# Altium PCB ModuleBackup4.PcbDoc (part 2 of 3) (continued)
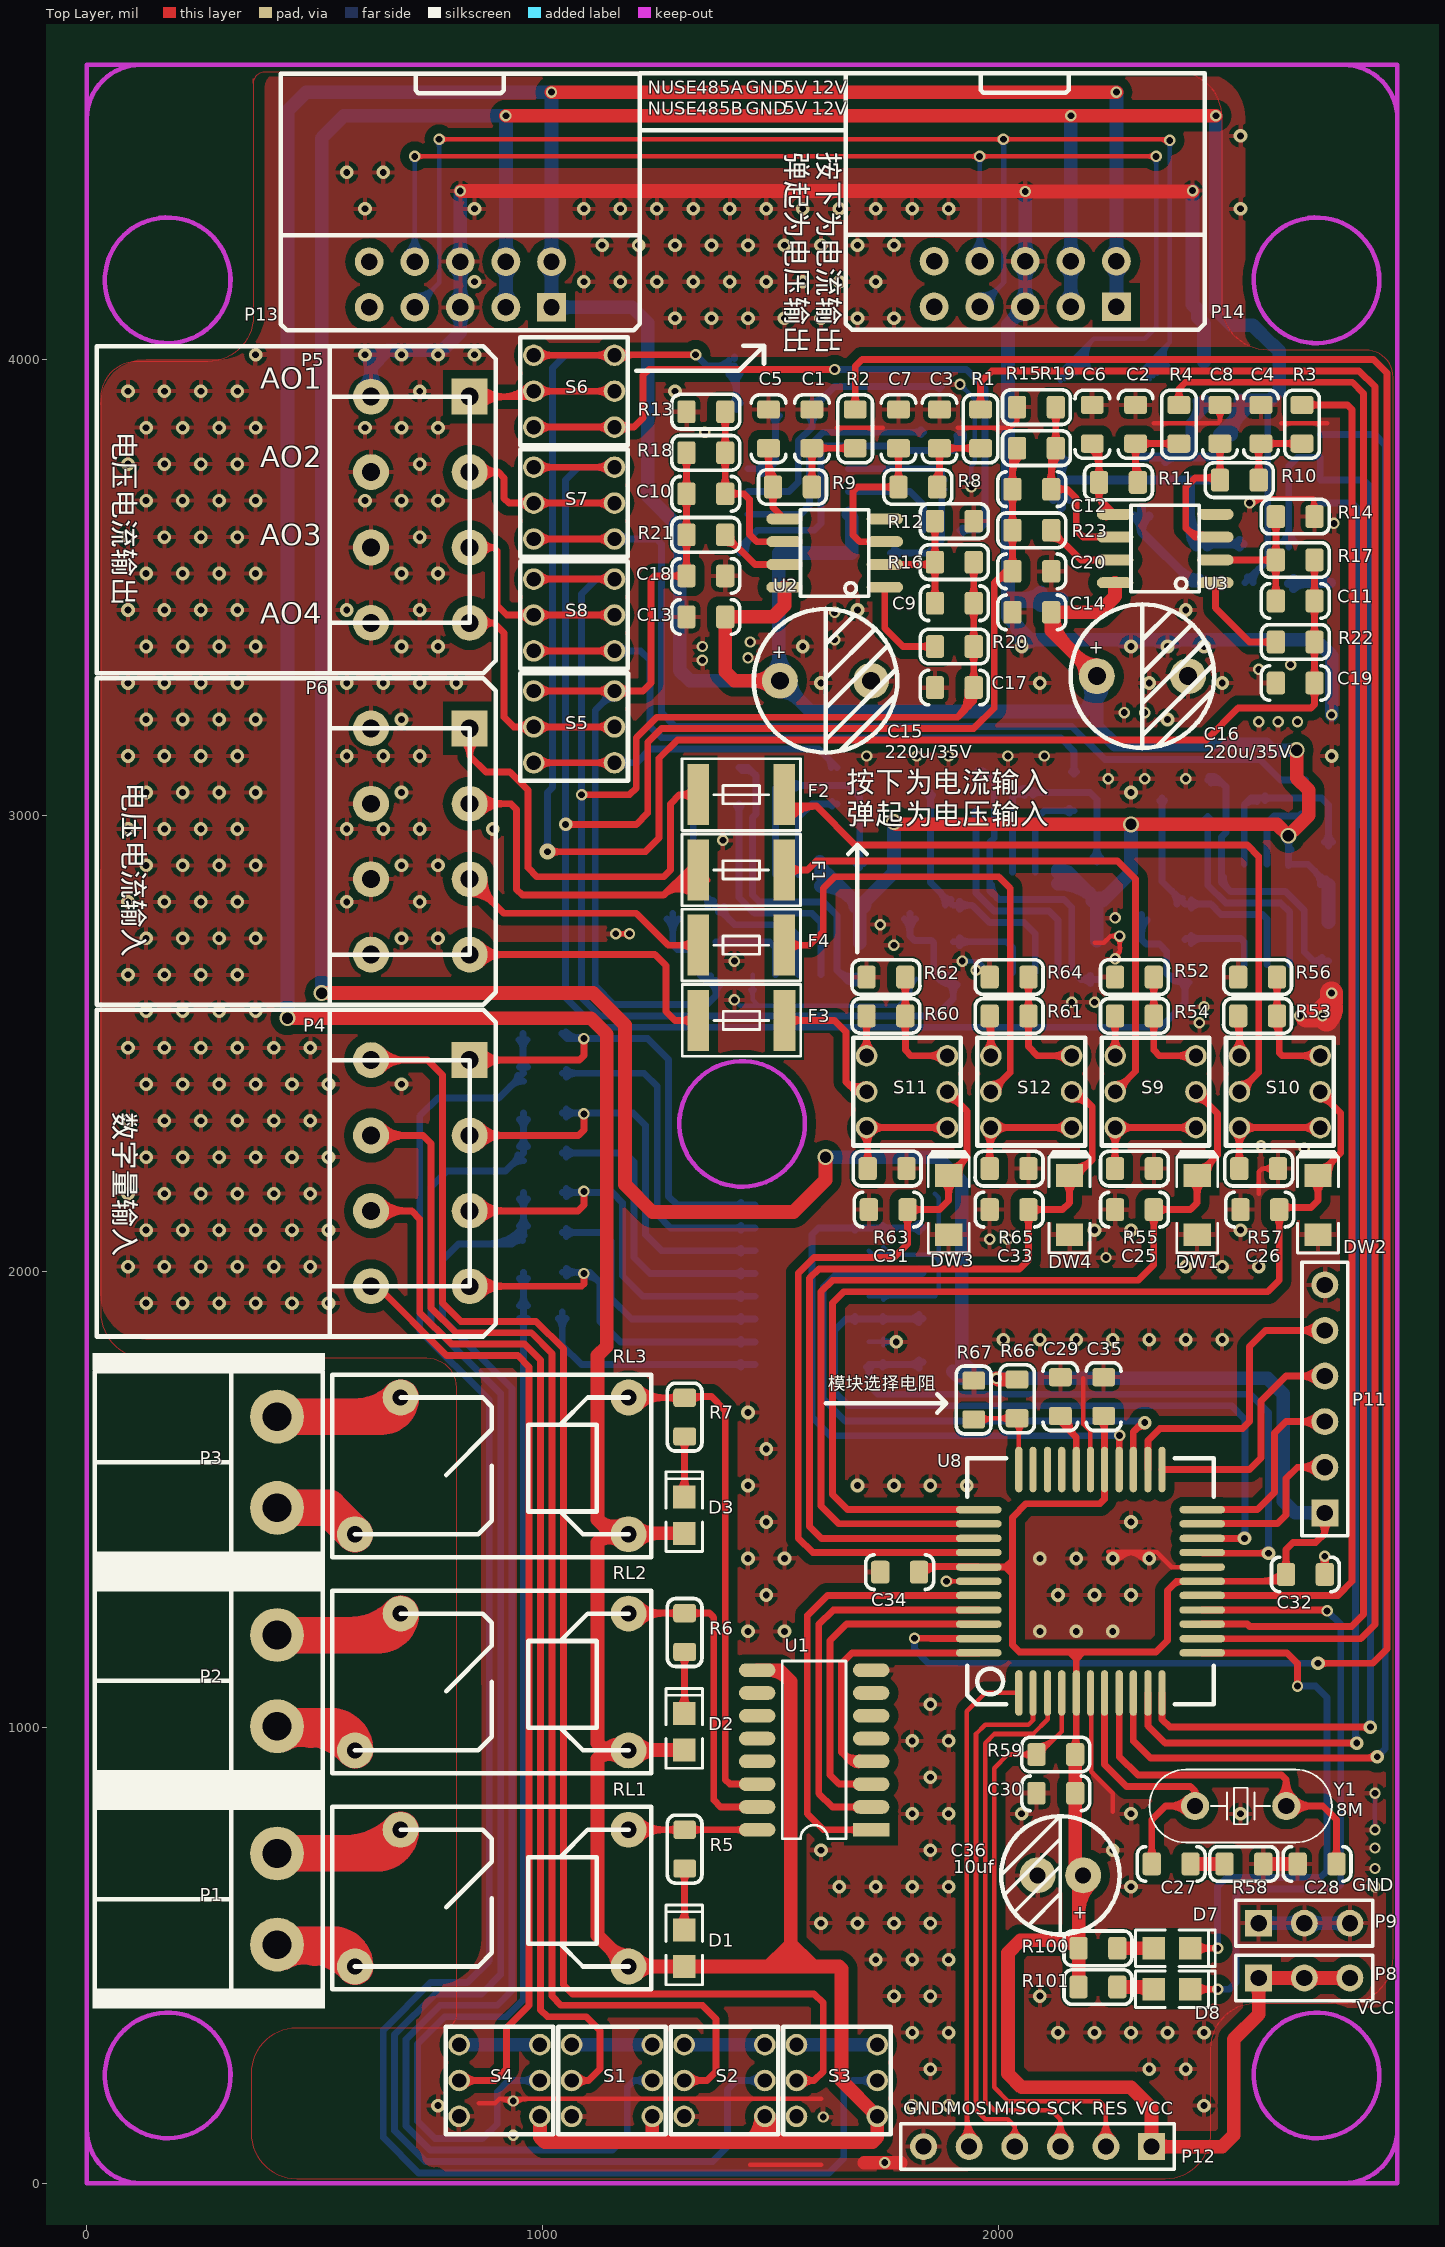
[diagram p0: Top Layer view]
## Nets (pads, with @x,y where several pads share a name; then routed paths per layer and width w, separated by ;. In a path a pad name is that pad's centre, name@x,y a point inside that pad or via, vN(x,y) a via of type N, cw(c..) or ccw(c..) an arc to the next point about the centre after c; other vN are vias at no path point) (continued)
  Bottom Layer w30: P5.2@605.77,3935.23 ccw(c564.17,3976.83) 623,3976.83 ccw(c681.83,3976.83) P5.2@640.23,3935.23 ; P5.2@623,3918 623,3983 660,4020 ; 623,3978.62 ccw(c578.62,3978.62) v1(610,4010) ; 623,3980.03 ccw(c581.96,3980.03) v1(610,4010) ; 665.86,4020 cw(c665.86,3985.86) v1(690,4010) cw(c714.14,3985.86) 714.14,4020 ; 745.86,4020 cw(c745.86,3985.86) v1(770,4010) ; P13.5@807.34,4102.34 cw(c779.18,4074.18) 819,4074.18 cw(c858.82,4074.18) P13.5@830.66,4102.34 ; P13.5@807.34,4125.66 ccw(c779.18,4153.82) 819,4153.82 ccw(c858.82,4153.82) P13.5@830.66,4125.66 ; P13.6@807.34,4202.34 cw(c779.18,4174.18) 819,4174.18 cw(c858.82,4174.18) P13.6@830.66,4202.34 ; P13.6@807.34,4225.66 ccw(c779.18,4253.82) 819,4253.82 ccw(c858.82,4253.82) P13.6@830.66,4225.66 ; v2(819,4369) P13.6@819,4214 P13.5@819,4114 819,4059 780,4020 660,4020 ; 2025.25,3429.75 cw(c1965.5,3370) v1(2050,3370) ; P14.5@2041.5,4115 cw(c2001.68,4115) 2029.84,4086.84 cw(c2058,4058.68) P14.5@2058,4098.5 ; 2045.61,3470 ccw(c2045.61,3535.36) 2091.83,3489.14 cw(c2057.68,3523.28) 2057.68,3475 cw(c2057.68,3426.72) 2091.83,3460.86 ccw(c2069.76,3438.79) 2069.76,3470 ; P14.5@2046.34,4126.66 ccw(c2018.18,4154.82) 2058,4154.82 ccw(c2097.82,4154.82) P14.5@2069.66,4126.66 ; P14.6@2046.34,4203.34 cw(c2018.18,4175.18) 2058,4175.18 cw(c2097.82,4175.18) P14.6@2069.66,4203.34 ; P14.6@2046.34,4226.66 ccw(c2018.18,4254.82) 2058,4254.82 ccw(c2097.82,4254.82) P14.6@2069.66,4226.66 ; v2(2058,4368) P14.6@2058,4215 P14.5@2058,4115 2020,4077 2020,3470 ; 2086.21,3385 ccw(c2086.21,3333.79) v1(2050,3370) ; 2253.79,3385 cw(c2253.79,3333.79) v1(2290,3370) cw(c2326.21,3333.79) 2326.21,3385 ; 2333.79,3385 cw(c2333.79,3333.79) v1(2370,3370) cw(c2406.21,3333.79) 2406.21,3385 ; 2413.79,3385 cw(c2413.79,3333.79) v1(2450,3370) cw(c2486.21,3333.79) 2486.21,3385 ; v2(2425,4370) 2425,4120 2436,4109 2436,4092.43 2450,4078.43 R71.1@2450,3995 ; P9.1@2570,570 P9.2@2670,570 P9.3@2770,570 ; P9.1@2580.27,559.73 cw(c2605.07,534.93) 2605.07,570 cw(c2605.07,605.07) P9.1@2580.27,580.27 ; P9.2@2659.73,559.73 ccw(c2634.93,534.93) 2634.93,570 ccw(c2634.93,605.07) P9.2@2659.73,580.27 ; P9.2@2680.27,559.73 cw(c2705.07,534.93) 2705.07,570 cw(c2705.07,605.07) P9.2@2680.27,580.27 ; v2(2730,3220) 2730,3350 2695,3385 2070,3385 ; P9.3@2759.73,559.73 ccw(c2734.93,534.93) 2734.93,570 ccw(c2734.93,605.07) P9.3@2759.73,580.27 ; v1(610,4010) ccw(c627.5,4052.5) 660,4020 ; 2020,3470 2025,3475 D6.A@2137.9,3475 2132.9,3470 2020,3470 ; 2020,3470 2020,3435 2070,3385 ; v1(2050,3370) cw(c2070,3364.17) 2070,3385
  other v1: 770,170 1810,170 1890,170 2450,170 1850,250 2330,250 2410,250 1810,330 1890,330 2130,330 2210,330 2290,330 2370,330 2450,330 1770,410 1850,410 2090,410 1730,490 1810,490 1890,490 1610,570 1690,570 1770,570 1850,570 1650,650 1730,650 1810,650 1890,650 2290,650 1610,730 1850,730 2250,730 1810,810 1890,810 2050,810 2290,810 2530,810 1850,890 1810,970 1890,970 1850,1050 1450,1210 1530,1210 2090,1210 2170,1210 2250,1210 1490,1290 2130,1290 2210,1290 2290,1290 1450,1370 1530,1370 2090,1370 2170,1370 1490,1450 2290,1450 1450,1530 1690,1530 1770,1530 1850,1530 1930,1530 1490,1610 1450,1690 2010,1850 2090,1850 2170,1850 2250,1850 2330,1850 2410,1850 2490,1850 130,1930 210,1930 290,1930 370,1930 450,1930 530,1930 90,2010 170,2010 250,2010 330,2010 410,2010 490,2010 2410,2010 2490,2010 2570,2010 130,2090 210,2090 290,2090 370,2090 450,2090 530,2090 2210,2090 2290,2090 2530,2090 90,2170 170,2170 250,2170 330,2170 410,2170 490,2170 130,2250 210,2250 290,2250 370,2250 450,2250 530,2250 90,2330 170,2330 250,2330 330,2330 410,2330 490,2330 130,2410 210,2410 290,2410 370,2410 450,2410 530,2410 690,2410 90,2490 170,2490 250,2490 330,2490 410,2490 490,2490 130,2570 210,2570 290,2570 370,2570 90,2650 170,2650 250,2650 330,2650 130,2730 210,2730 290,2730 370,2730 690,2730 770,2730 90,2810 170,2810 250,2810 330,2810 570,2810 730,2810 130,2890 210,2890 290,2890 370,2890 690,2890 770,2890 90,2970 170,2970 250,2970 330,2970 570,2970 650,2970 730,2970 890,2970 130,3050 210,3050 290,3050 370,3050 690,3050 2290,3050 90,3130 170,3130 250,3130 330,3130 570,3130 650,3130 730,3130 2730,3130 130,3210 210,3210 290,3210 370,3210 690,3210 2370,3210 90,3290 170,3290 250,3290 330,3290 570,3290 650,3290 730,3290 810,3290 1610,3290 2090,3290 2330,3290 2490,3290 130,3370 210,3370 290,3370 370,3370 690,3370 770,3370 1570,3370 90,3450 170,3450 250,3450 330,3450 570,3450 730,3450 1690,3450 2410,3450 130,3530 210,3530 290,3530 370,3530 690,3530 770,3530 90,3610 170,3610 250,3610 330,3610 730,3610 130,3690 210,3690 290,3690 370,3690 610,3690 690,3690 770,3690 90,3770 170,3770 250,3770 330,3770 730,3770 130,3850 210,3850 290,3850 370,3850 610,3850 690,3850 770,3850 90,3930 170,3930 250,3930 330,3930 730,3930 1290,3930 370,4010 850,4010 1290,4090 1370,4090 1450,4090 1530,4090 1610,4090 1690,4090 1770,4090 850,4170 1090,4170 1170,4170 1250,4170 1330,4170 1410,4170 1490,4170 1570,4170 1650,4170 1730,4170 1130,4250 1210,4250 1290,4250 1370,4250 1450,4250 1530,4250 1610,4250 1690,4250 1770,4250 610,4330 850,4330 1090,4330 1170,4330 1250,4330 1330,4330 1410,4330 1490,4330 1570,4330 1650,4330 1730,4330 1810,4330 1890,4330 2530,4330 570,4410 650,4410 2530,4490
  other v2: 935,105 1615,145 935,180 2825,650 2825,690 2825,735 2235,2030 1980,2070 2020,2070 2670,2270 2575,2275 2440,2545 2660,2560 2710,2560 2450,2580 2160,2590 2210,2590 1420,2680 1770,2715 1740,2760 2255,2775 1395,2945 2240,3080 2320,3080 2410,3080 1710,3130 1820,3130 1890,3130 2020,3130 2100,3130 2570.24,3205 2612.62,3205 2655,3205 2275,3225 2320,3225 2570,3320 2640,3330 1350,3340 1450,3345 1350,3370 1455,3380 1640,3385 1640,3445 2735,3640 1355,3840
INPUT1: OP1.16 R35.1 U8.19 | length 1683.2
  Top Layer w15: U8.19@2446,1383 2447.5,1381.5 v1(2591.5,1381.5) ; v1@2586.2,1376.2 ccw(c2573.39,1363.39) 2573.39,1381.5 ccw(c2573.39,1399.61) v1@2586.2,1386.8
  Bottom Layer w15: OP1.16@1709.7,1789.7 cw(c1696.89,1776.89) 1715,1776.89 cw(c1733.11,1776.89) OP1.16@1720.3,1789.7 ; OP1.16@1745.3,1789.7 cw(c1758.11,1776.89) 1758.11,1795 cw(c1758.11,1813.11) OP1.16@1745.3,1800.3 ; 1800.74,1795 ccw(c1800.74,1828.89) R35.1@1824.71,1804.93 ; 1805.99,1795 cw(c1805.99,1768.54) R35.1@1824.71,1787.25 ; R35.1@1833.54,1801.09 1827.46,1795 OP1.16@1715,1795 1715,1750 1735,1730 2551.5,1730 2591.5,1690 v1(2591.5,1381.5) ; v1@2586.2,1386.8 ccw(c2573.39,1399.61) 2591.5,1399.61 ccw(c2609.61,1399.61) v1@2596.8,1386.8
INPUT2: OP1.14 R32.1 U8.20 | length 1779.8
  Top Layer w15: U8.20@2446,1414 v1(2539,1414) ; v1@2533.7,1408.7 ccw(c2520.89,1395.89) 2520.89,1414 ccw(c2520.89,1432.11) v1@2533.7,1419.3
  Bottom Layer w15: OP1.14@1684.7,1889.7 ccw(c1671.89,1876.89) 1671.89,1895 ccw(c1671.89,1913.11) OP1.14@1684.7,1900.3 ; OP1.14@1745.3,1889.7 cw(c1758.11,1876.89) 1758.11,1895 cw(c1758.11,1913.11) OP1.14@1745.3,1900.3 ; 1800.74,1895 ccw(c1800.74,1928.89) R32.1@1824.7,1904.93 ; 1805.99,1895 cw(c1805.99,1868.54) R32.1@1824.7,1887.25 ; R32.1@1833.54,1896.09 1832.45,1895 OP1.14@1715,1895 1665,1895 1640,1870 1640,1735 1670,1705 2510,1705 2540,1675 2540,1415 v1(2539,1414) ; v1@2533.7,1419.3 ccw(c2518.48,1434.52) 2540,1434.52 ; 2540,1429.69 ccw(c2554.69,1429.69) v1@2544.3,1419.3
INPUT3: OP1.12 R33.1 U8.25 | length 1477.6
  Top Layer w15: U8.25@2295,1565 2295,1647.92 v1@2319.92,1672.84 ; 2298.59,1651.5 cw(c2319.92,1630.17) v1@2319.92,1660.34
  Bottom Layer w15: OP1.12@1684.7,1989.7 ccw(c1671.89,1976.89) 1671.89,1995 ccw(c1671.89,2013.11) OP1.12@1684.7,2000.3 ; OP1.12@1745.3,1989.7 cw(c1758.11,1976.89) 1758.11,1995 cw(c1758.11,2013.11) OP1.12@1745.3,2000.3 ; 1800.74,1995 ccw(c1800.74,2028.89) R33.1@1824.71,2004.93 ; 1805.99,1995 cw(c1805.99,1968.54) R33.1@1824.71,1987.25 ; R33.1@1833.54,1996.09 1832.46,1995 OP1.12@1715,1995 1645,1995 1615,1965 1615,1719.64 1663.14,1671.5 v1@2316.27,1671.5 ; 2292.99,1671.5 cw(c2292.99,1640.91) v1@2314.62,1662.54 ; v1(2319.92,1667.84) v1@2316.27,1671.5 ; v1@2319.92,1672.84 2318.58,1671.5 v1@2316.27,1671.5
INPUT4: OP1.10 R34.1 U8.26 | length 1533.1
  Top Layer w15: U8.26@2264,1565 v2@2264,1639 ; 2264,1625.52 cw(c2279.48,1625.52) v2@2268.54,1636.46
  Bottom Layer w15: OP1.10@1684.7,2089.7 ccw(c1671.89,2076.89) 1671.89,2095 ccw(c1671.89,2113.11) OP1.10@1684.7,2100.3 ; OP1.10@1745.3,2089.7 cw(c1758.11,2076.89) 1758.11,2095 cw(c1758.11,2113.11) OP1.10@1745.3,2100.3 ; 1800.74,2095 ccw(c1800.74,2128.89) R34.1@1824.71,2104.93 ; 1805.99,2095 cw(c1805.99,2068.54) R34.1@1824.71,2087.25 ; R34.1@1833.54,2096.09 1832.46,2095 OP1.10@1715,2095 1605,2095 1590,2080 1590,1680 1631,1639 2230,1639 2231,1640 v2(2265,1640)
MAOUT1: Q5.1 S6.2 S6.5 | length 1683.6
  Top Layer w15: S6.5@980,3851.26 S6.2@1157.16,3851.26 1200,3851.26 1220,3871.26 1220,3965 1232.5,3977.5 v2(1640,3977.5) ; S6.5@991.4,3839.86 cw(c1018.92,3812.34) 1018.92,3851.26 cw(c1018.92,3890.18) S6.5@991.4,3862.66 ; S6.2@1145.76,3839.86 ccw(c1118.24,3812.34) 1118.24,3851.26 ccw(c1118.24,3890.18) S6.2@1145.76,3862.66 ; S6.2@1168.56,3839.86 cw(c1196.09,3812.34) 1196.09,3851.26 cw(c1196.09,3890.18) S6.2@1168.56,3862.66
  Bottom Layer w15: v2(1640,3977.5) 1928.75,3977.5 1970,3936.25 1970,3640 1955,3625 Q5.1@1915,3625 ; Q5.1@1920.3,3619.7 cw(c1933.11,3606.89) 1933.11,3625 cw(c1933.11,3643.11) Q5.1@1920.3,3630.3
MAOUT2: Q8.1 S7.2 S7.5 | length 2340.7
  Top Layer w15: S7.5@980,3605.84 S7.2@1157.17,3605.84 ; S7.5@991.4,3594.44 cw(c1018.92,3566.92) 1018.92,3605.84 cw(c1018.92,3644.76) S7.5@991.4,3617.24 ; S7.2@1145.77,3594.44 ccw(c1118.24,3566.92) 1118.24,3605.84 ccw(c1118.24,3644.76) S7.2@1145.77,3617.24
  Bottom Layer w15: S7.2@1157.17,3605.84 1249.16,3605.84 1260,3595 1260,3225 1290,3195 2160,3195 2232.5,3122.5 2572.5,3122.5 2617.5,3077.5 Q8.1@2673.21,3077.5 ; S7.2@1168.57,3594.44 cw(c1196.09,3566.92) 1196.09,3605.84 cw(c1196.09,3644.76) S7.2@1168.57,3617.24 ; Q8.1@2662.91,3072.2 ccw(c2650.1,3059.39) 2650.1,3077.5 ccw(c2650.1,3095.61) Q8.1@2662.91,3082.8
MAOUT3: Q6.1 S8.2 S8.5 | length 1623.1
  Top Layer w15: S8.5@980,3360.42 S8.2@1157.17,3360.42 ; S8.5@991.4,3349.02 cw(c1018.92,3321.5) 1018.92,3360.42 cw(c1018.92,3399.34) S8.5@991.4,3371.82 ; S8.2@1145.77,3349.02 ccw(c1118.24,3321.5) 1118.24,3360.42 ccw(c1118.24,3399.34) S8.2@1145.77,3371.82
  Bottom Layer w15: S8.2@1157.17,3360.42 1214.58,3360.42 1235,3340 1235,3195 1260,3170 2135,3170 2165,3140 Q6.1@2165,3090 ; S8.2@1168.57,3349.02 cw(c1196.09,3321.5) 1196.09,3360.42 cw(c1196.09,3399.34) S8.2@1168.57,3371.82 ; Q6.1@2159.7,3095.3 ccw(c2146.89,3108.11) 2165,3108.11 ccw(c2183.11,3108.11) Q6.1@2170.3,3095.3
MAOUT4: Q7.1 S5.2 S5.5 | length 901.1
  Top Layer w15: S5.5@980,3115 S5.2@1157.17,3115 ; S5.5@991.4,3103.6 cw(c1018.92,3076.08) 1018.92,3115 cw(c1018.92,3153.92) S5.5@991.4,3126.4 ; S5.2@1145.77,3103.6 ccw(c1118.24,3076.08) 1118.24,3115 ccw(c1118.24,3153.92) S5.2@1145.77,3126.4
  Bottom Layer w15: S5.2@1157.17,3115 1205,3115 1235,3145 1605,3145 Q7.1@1645,3105 ; S5.2@1168.57,3103.6 cw(c1196.09,3076.08) 1196.09,3115 cw(c1196.09,3153.92) S5.2@1168.57,3126.4 ; 1623.66,3126.34 cw(c1602.32,3105) Q7.1@1632.5,3105
MISO: P12.4 U8.2 | length 1224.8
  Top Layer w10: P12.4@2021.71,100.61 ccw(c2005.99,125) 2035,125 ; P12.4@2035,80 2035,125 ; P12.4@2048.29,100.61 cw(c2064.01,125) 2035,125 ; U8.2@2075,1075 2075,1015 2065,1005 1970,1005 1950,985 1950,160 1970,140 2020,140 2035,125
MOSI: P12.5 U8.1 | length 1221.6
  Top Layer w10: P12.5@1917.66,97.34 ccw(c1887.86,127.14) 1930,127.14 ccw(c1982.14,127.14) P12.5@1945.27,90.27 ; 1930,151.29 ccw(c2006.29,151.29) P12.5@1952.34,97.34 ; P12.5@1935,80 1930,85 1930,1035 1970,1075 U8.1@2044,1075
NetC1_1: C1.1 R2.1 R9.2 | length 369.6
  Top Layer w15: R9.2@1581.16,3733.84 ccw(c1559.82,3755.18) 1590,3755.18 ccw(c1620.18,3755.18) R9.2@1598.84,3733.84 ; C1.1@1581.16,3796.16 cw(c1559.82,3774.82) 1590,3774.82 cw(c1620.18,3774.82) C1.1@1598.84,3796.16 ; R9.2@1590,3720 C1.1@1590,3805 R2.1@1685,3805 ; C1.1@1603.84,3796.16 cw(c1625.18,3774.82) 1625.18,3805 cw(c1625.18,3835.18) C1.1@1603.84,3813.84 ; R2.1@1671.16,3796.16 ccw(c1649.82,3774.82) 1649.82,3805 ccw(c1649.82,3835.18) R2.1@1671.16,3813.84
NetC2_1: C2.1 R4.1 R11.2 | length 361.4
  Top Layer w15: C2.1@2291.16,3806.16 cw(c2269.82,3784.82) 2300,3784.82 cw(c2330.18,3784.82) C2.1@2308.84,3806.16 ; 2300,3777.25 ccw(c2347.25,3777.25) R11.2@2313.84,3743.84 ; R11.2@2305,3730 2300,3735 C2.1@2300,3815 R4.1@2395,3815 ; C2.1@2313.84,3806.16 cw(c2335.18,3784.82) 2335.18,3815 cw(c2335.18,3845.18) C2.1@2313.84,3823.84 ; R4.1@2381.16,3806.16 ccw(c2359.82,3784.82) 2359.82,3815 ccw(c2359.82,3845.18) R4.1@2381.16,3823.84
NetC3_2: C3.2 R1.1 R8.2 | length 356.4
  Top Layer w15: R8.2@1856.16,3733.84 ccw(c1822.75,3767.25) 1870,3767.25 ; C3.2@1861.16,3796.16 cw(c1839.82,3774.82) 1870,3774.82 cw(c1900.18,3774.82) C3.2@1878.84,3796.16 ; R8.2@1865,3720 1870,3725 C3.2@1870,3805 R1.1@1960,3805 ; C3.2@1883.84,3796.16 cw(c1905.18,3774.82) 1905.18,3805 cw(c1905.18,3835.18) C3.2@1883.84,3813.84 ; R1.1@1946.16,3796.16 ccw(c1924.82,3774.82) 1924.82,3805 ccw(c1924.82,3835.18) R1.1@1946.16,3813.84
NetC4_2: C4.2 R3.1 R10.2 | length 361.7
  Top Layer w15: R10.2@2561.16,3748.84 ccw(c2539.82,3770.18) 2570,3770.18 ccw(c2600.18,3770.18) R10.2@2578.84,3748.84 ; C4.2@2561.16,3806.16 cw(c2539.82,3784.82) 2570,3784.82 cw(c2600.18,3784.82) C4.2@2578.84,3806.16 ; R10.2@2570,3735 2570,3810 C4.2@2575,3815 R3.1@2665,3815 ; C4.2@2588.84,3806.16 cw(c2610.18,3784.82) 2610.18,3815 cw(c2610.18,3845.18) C4.2@2588.84,3823.84 ; R3.1@2651.16,3806.16 ccw(c2629.82,3784.82) 2629.82,3815 ccw(c2629.82,3845.18) R3.1@2651.16,3823.84
NetC5_1: C5.1 R9.1 U2.5 | length 336.9
  Top Layer w15: C5.1@1486.16,3796.16 cw(c1464.82,3774.82) 1495,3774.82 cw(c1525.18,3774.82) C5.1@1503.84,3796.16 ; R9.1@1495,3743.11 ccw(c1523.11,3743.11) R9.1@1503.23,3723.23 ; 1495,3779.32 ccw(c1559.32,3779.32) R9.1@1513.84,3733.84 ; C5.1@1495,3805 1495,3730 R9.1@1505,3720 1505,3675 U2.5@1530,3650 ; R9.1@1496.16,3706.16 cw(c1474.82,3684.82) 1505,3684.82 cw(c1535.18,3684.82) R9.1@1513.84,3706.16
NetC6_1: C6.1 R11.1 U3.5 | length 408.4
  Top Layer w15: C6.1@2201.16,3806.16 cw(c2155.68,3760.68) 2220,3760.68 ; C6.1@2205,3815 2220,3800 R11.1@2220,3730 2220,3695 ; R11.1@2211.16,3743.84 ccw(c2189.82,3765.18) 2220,3765.18 ccw(c2250.18,3765.18) R11.1@2228.84,3743.84 ; R11.1@2211.2,3716.12 cw(c2190.25,3695) 2220,3695 ; C6.1@2211.77,3816.77 cw(c2191.89,3796.89) C6.1@2220,3796.89 ; U3.5@2223.25,3662.49 ccw(c2201.76,3676.76) 2220,3695 ; R11.1@2228.8,3716.12 ccw(c2249.75,3695) 2220,3695 ; 2232.96,3682.04 cw(c2217.34,3666.41) U3.5@2235.75,3654.19 ; U3.5@2255,3660 2220,3695
NetC7_2: C7.2 R8.1 U2.3 | length 502.6
  Top Layer w15: U2.3@1750,3600 1695,3600 1680,3615 1680,3710 1690,3720 R8.1@1780,3720 C7.2@1780,3805 ; R8.1@1771.16,3711.16 ccw(c1749.82,3689.82) 1749.82,3720 ccw(c1749.82,3750.18) R8.1@1771.16,3728.84 ; R8.1@1771.16,3733.84 ccw(c1749.82,3755.18) 1780,3755.18 ccw(c1810.18,3755.18) R8.1@1788.84,3733.84 ; C7.2@1771.16,3796.16 cw(c1749.82,3774.82) 1780,3774.82 cw(c1810.18,3774.82) C7.2@1788.84,3796.16
NetC8_2: C8.2 R10.1 U3.3 | length 509.5
  Top Layer w15: 2410.3,3629.7 ccw(c2447,3666.41) U3.3@2447,3614.5 ; U3.3@2475,3610 2430,3610 2410,3630 2410,3720 2430,3740 R10.1@2485,3740 ; R10.1@2476.16,3731.16 ccw(c2454.82,3709.82) 2454.82,3740 ccw(c2454.82,3770.18) 2476.16,3748.84 ccw(c2454.82,3770.18) 2485,3770.18 ccw(c2515.18,3770.18) R10.1@2493.84,3748.84 ; C8.2@2476.16,3806.16 cw(c2454.82,3784.82) 2485,3784.82 cw(c2515.18,3784.82) C8.2@2493.84,3806.16 ; R10.1@2485,3735 R10.1@2485,3740 ; C8.2@2485,3815 R10.1@2485,3740
NetC9_1: C9.1 R12.1 R16.2 U2.2 | length 529.1
  Top Layer w15: U2.2@1750,3550 1855,3550 R16.2@1860,3555 ; C9.1@1851.16,3478.84 ccw(c1829.82,3500.18) 1860,3500.18 ccw(c1890.18,3500.18) C9.1@1868.84,3478.84 ; R16.2@1851.16,3558.84 cw(c1829.82,3580.18) 1829.82,3550 cw(c1829.82,3519.82) 1851.16,3541.16 cw(c1829.82,3519.82) 1860,3519.82 cw(c1890.18,3519.82) R16.2@1868.84,3541.16 ; R16.2@1851.16,3568.84 ccw(c1829.82,3590.18) 1860,3590.18 ccw(c1890.18,3590.18) R16.2@1868.84,3568.84 ; R12.1@1851.16,3631.16 cw(c1829.82,3609.82) 1860,3609.82 cw(c1890.18,3609.82) R12.1@1868.84,3631.16 ; C9.1@1860,3465 R16.2@1860,3555 ; R12.1@1860,3645 R16.2@1860,3555
NetC10_1: C10.1 R13.1 R18.2 U2.6 | length 635.6
  Top Layer w15: C10.1@1391.16,3718.84 ccw(c1369.82,3740.18) 1400,3740.18 ccw(c1430.18,3740.18) C10.1@1408.84,3718.84 ; R18.2@1391.16,3781.16 cw(c1369.82,3759.82) 1400,3759.82 cw(c1430.18,3759.82) R18.2@1408.84,3781.16 ; R18.2@1391.16,3808.84 ccw(c1369.82,3830.18) 1400,3830.18 ccw(c1430.18,3830.18) R18.2@1408.84,3808.84 ; R13.1@1391.16,3871.16 cw(c1369.82,3849.82) 1400,3849.82 cw(c1430.18,3849.82) R13.1@1408.84,3871.16 ; R13.1@1400,3885 R18.2@1400,3795 C10.1@1400,3705 1441,3705 1453,3693 1453,3616 1469,3600 U2.6@1530,3600 ; C10.1@1408.84,3696.16 cw(c1430.18,3674.82) 1430.18,3705 cw(c1430.18,3735.18) C10.1@1408.84,3713.84
NetC11_1: C11.1 R14.1 R17.2 U3.2 | length 554.6
  Top Layer w15: U3.2@2475,3560 R17.2@2607.5,3560 ; R17.2@2598.66,3546.16 cw(c2577.32,3524.82) 2607.5,3524.82 cw(c2637.68,3524.82) R17.2@2616.34,3546.16 ; R17.2@2598.66,3551.16 ccw(c2577.32,3529.82) 2577.32,3560 ccw(c2577.32,3590.18) R17.2@2598.66,3568.84 ; R17.2@2598.66,3573.84 ccw(c2577.07,3595.43) 2607.6,3595.43 ; C11.1@2598.77,3483.84 ccw(c2577.68,3504.93) 2607.5,3504.93 ; R14.1@2598.77,3641.16 cw(c2577.43,3619.82) 2607.6,3619.82 cw(c2637.78,3619.82) R14.1@2616.44,3641.16 ; 2607.5,3505.43 ccw(c2638.03,3505.43) C11.1@2616.44,3483.84 ; C11.1@2607.6,3470 2607.5,3470.1 R17.2@2607.5,3560 ; 2607.6,3594.93 ccw(c2637.43,3594.93) R17.2@2616.34,3573.84 ; R14.1@2607.6,3655 2607.6,3560.1 R17.2@2607.5,3560
NetC12_1: C12.1 R15.1 R19.2 U3.6 | length 670.8
  Top Layer w15: C12.1@2106.16,3728.84 ccw(c2084.82,3750.18) 2115,3750.18 ccw(c2145.18,3750.18) C12.1@2123.84,3728.84 ; 2115,3745.68 cw(c2179.32,3745.68) R19.2@2133.84,3791.16 ; R19.2@2115,3781.89 cw(c2143.11,3781.89) R19.2@2123.23,3801.77 ; R19.2@2116.16,3818.84 ccw(c2094.82,3840.18) 2125,3840.18 ccw(c2155.18,3840.18) R19.2@2133.84,3818.84 ; R15.1@2116.16,3881.16 cw(c2094.82,3859.82) 2125,3859.82 cw(c2155.18,3859.82) R15.1@2133.84,3881.16 ; C12.1@2123.84,3706.16 cw(c2145.18,3684.82) 2145.18,3715 cw(c2145.18,3745.18) C12.1@2123.84,3723.84 ; R15.1@2125,3895 R19.2@2125,3805 2115,3795 C12.1@2115,3715 2150,3715 2170,3695 2170,3625 2185,3610 U3.6@2255,3610
NetC27_2: C27.2 R58.1 | length 74.5
  Top Layer w30: C27.2@2420.5,700 R58.1@2495,700
NetD1_2: D1.2 R5.1 | length 249.2
  Top Layer w15: D1.2@1297.63,567.37 ccw(c1265.34,599.66) 1311,599.66 ; R5.1@1302.16,681.16 cw(c1280.82,659.82) 1311,659.82 cw(c1341.18,659.82) R5.1@1319.84,681.16 ; D1.2@1310,555 1311,556 R5.1@1311,690 ; 1311,594.84 ccw(c1349.84,594.84) D1.2@1322.37,567.37
NetD2_2: D2.2 R6.1 | length 249.2
  Top Layer w15: D2.2@1297.63,1042.37 ccw(c1265.34,1074.66) 1311,1074.66 ; R6.1@1302.16,1156.16 cw(c1280.82,1134.82) 1311,1134.82 cw(c1341.18,1134.82) R6.1@1319.84,1156.16 ; D2.2@1310,1030 1311,1031 R6.1@1311,1165 ; 1311,1069.84 ccw(c1349.84,1069.84) D2.2@1322.37,1042.37
NetD3_2: D3.2 R7.1 | length 246.7
  Top Layer w15: D3.2@1297.63,1517.37 ccw(c1265.34,1549.66) 1311,1549.66 ; R7.1@1302.16,1628.66 cw(c1280.82,1607.32) 1311,1607.32 cw(c1341.18,1607.32) R7.1@1319.84,1628.66 ; D3.2@1310,1505 1311,1506 R7.1@1311,1637.5 ; 1311,1544.84 ccw(c1349.84,1544.84) D3.2@1322.37,1517.37
NetD4_2: D4.2 R68.2 | length 175.7
  Bottom Layer w20: D4.2@2636,3508.11 2728.11,3508.11 R68.2@2730,3510 ; D4.2@2646.61,3497.5 cw(c2672.21,3471.89) 2672.21,3508.11 cw(c2672.21,3544.32) D4.2@2646.61,3518.71 ; 2696.29,3508.11 ccw(c2696.29,3538.71) R68.2@2717.93,3517.07
NetD5_K: D5.K R70.2 | length 355.6
  Bottom Layer w20: D5.K@2297.03,3655.68 cw(c2269.44,3622.1) 2312.9,3622.1 ; D5.K@2312.9,3675 2312.9,3622.1 ; D5.K@2328.77,3655.68 ccw(c2356.36,3622.1) 2312.9,3622.1 ; 2397.32,3537.68 ccw(c2440,3580.36) R70.2@2440,3520 ; R70.2@2445,3510 2425,3510 2312.9,3622.1
NetD6_K: D6.K F6.2 R69.1 R70.1 U9.6 | length 1054.7
  Bottom Layer w20: D6.K@2120.3,3692.75 ccw(c2078.41,3735) 2137.9,3735 ; F6.2@2128.27,3776.44 cw(c2105.02,3753.19) 2137.9,3753.19 cw(c2170.79,3753.18) F6.2@2147.53,3776.44 ; D6.K@2137.9,3675 2137.9,3735 ; F6.2@2137.9,3786.07 2137.9,3735 ; D6.K@2155.5,3692.75 cw(c2197.39,3735) 2137.9,3735 ; 2420,3619.14 ccw(c2464.14,3619.14) R70.1@2432.93,3587.93 ; 2420,3667.43 ccw(c2512.43,3667.43) R70.1@2447.07,3602.07 ; R70.1@2430,3595.19 ccw(c2395.84,3595.84) 2420,3620 ; R70.1@2457.07,3587.93 cw(c2474.14,3570.86) 2474.14,3595 cw(c2474.14,3619.14) R70.1@2457.07,3602.07 ; U9.6@2485,3735 2420,3735 ; R69.1@2527.93,3587.93 ccw(c2510.86,3570.86) 2510.86,3595 ccw(c2510.86,3619.14) R69.1@2527.93,3602.07 ; R69.1@2535,3595 R70.1@2445,3595 2420,3620 ; 2137.9,3735 2420,3735 ; 2420,3620 2420,3735
NetD7_1: D7.1 R100.2 | length 80
  Top Layer w30: R100.2@2260,515 D7.1@2340,515
NetD8_1: D8.1 R101.2 | length 114.4
  Top Layer w30: R101.2@2260,430 2335,430 D8.1@2340,425 ; 2303.79,430 cw(c2303.79,388.79) D8.1@2332.93,417.93
NetF1_2: F1.2 S9.1 | length 1402.4
  Top Layer w15: F1.2@1529.49,2880 1580,2880 1600,2900 2260,2900 2300,2860 2300,2438.52 S9.1@2255.22,2393.74 ; F1.2@1540.89,2868.6 cw(c1568.41,2841.08) 1568.41,2880 cw(c1568.41,2918.92) F1.2@1540.89,2891.4 ; S9.1@2255.22,2409.86 ccw(c2255.22,2448.78) 2282.75,2421.26 ccw(c2310.27,2393.74) S9.1@2271.35,2393.74
NetF2_2: F2.2 S10.1 | length 1792.3
  Top Layer w15: F2.2@1529.49,3020 1600,3020 ; F2.2@1530.37,3001 cw(c1569.28,2970.66) 1569.28,3020 ; F2.2@1542.2,2991.78 cw(c1600,2946.71) 1600,3020 ; S10.1@2527.84,2393.74 2570,2435.9 2570,2910 2545,2935 1685,2935 1600,3020 ; S10.1@2527.84,2409.86 ccw(c2527.84,2448.78) 2555.36,2421.26 ccw(c2582.88,2393.74) S10.1@2543.96,2393.74
NetF3_2: F3.2 S11.1 | length 465.8
  Top Layer w15: F3.2@1530,2550 1640,2550 1665,2525 1665,2415 ; F3.2@1541.4,2538.6 cw(c1568.92,2511.08) 1568.92,2550 cw(c1568.92,2588.92) F3.2@1541.4,2561.4 ; 1680.1,2399.9 ccw(c1698.47,2418.27) S11.1@1709.52,2394.76 ; S11.1@1695.01,2387.8 ccw(c1686.26,2384.32) 1686.26,2393.74 ; S11.1@1695.01,2399.69 cw(c1686.26,2403.16) 1686.26,2393.74 ; S11.1@1703.14,2408.33 cw(c1688.82,2438.82) 1665,2415 ; S11.1@1710,2393.74 1686.26,2393.74 ; 1665,2415 1686.26,2393.74
NetF4_2: F4.2 S12.1 | length 1209.7
  Top Layer w15: F4.2@1529.49,2715 1585,2715 1615,2745 1615,2840 1640,2865 2000,2865 2025,2840 2025,2436.13 S12.1@1982.61,2393.74 ; F4.2@1540.89,2703.6 cw(c1568.41,2676.08) 1568.41,2715 cw(c1568.41,2753.92) F4.2@1540.89,2726.4 ; S12.1@1982.61,2409.86 ccw(c1982.61,2448.78) 2010.13,2421.26 ccw(c2037.66,2393.74) S12.1@1998.73,2393.74